# Altium PCB Headstage_V003.PcbDoc (part 1 of 2) (continued)
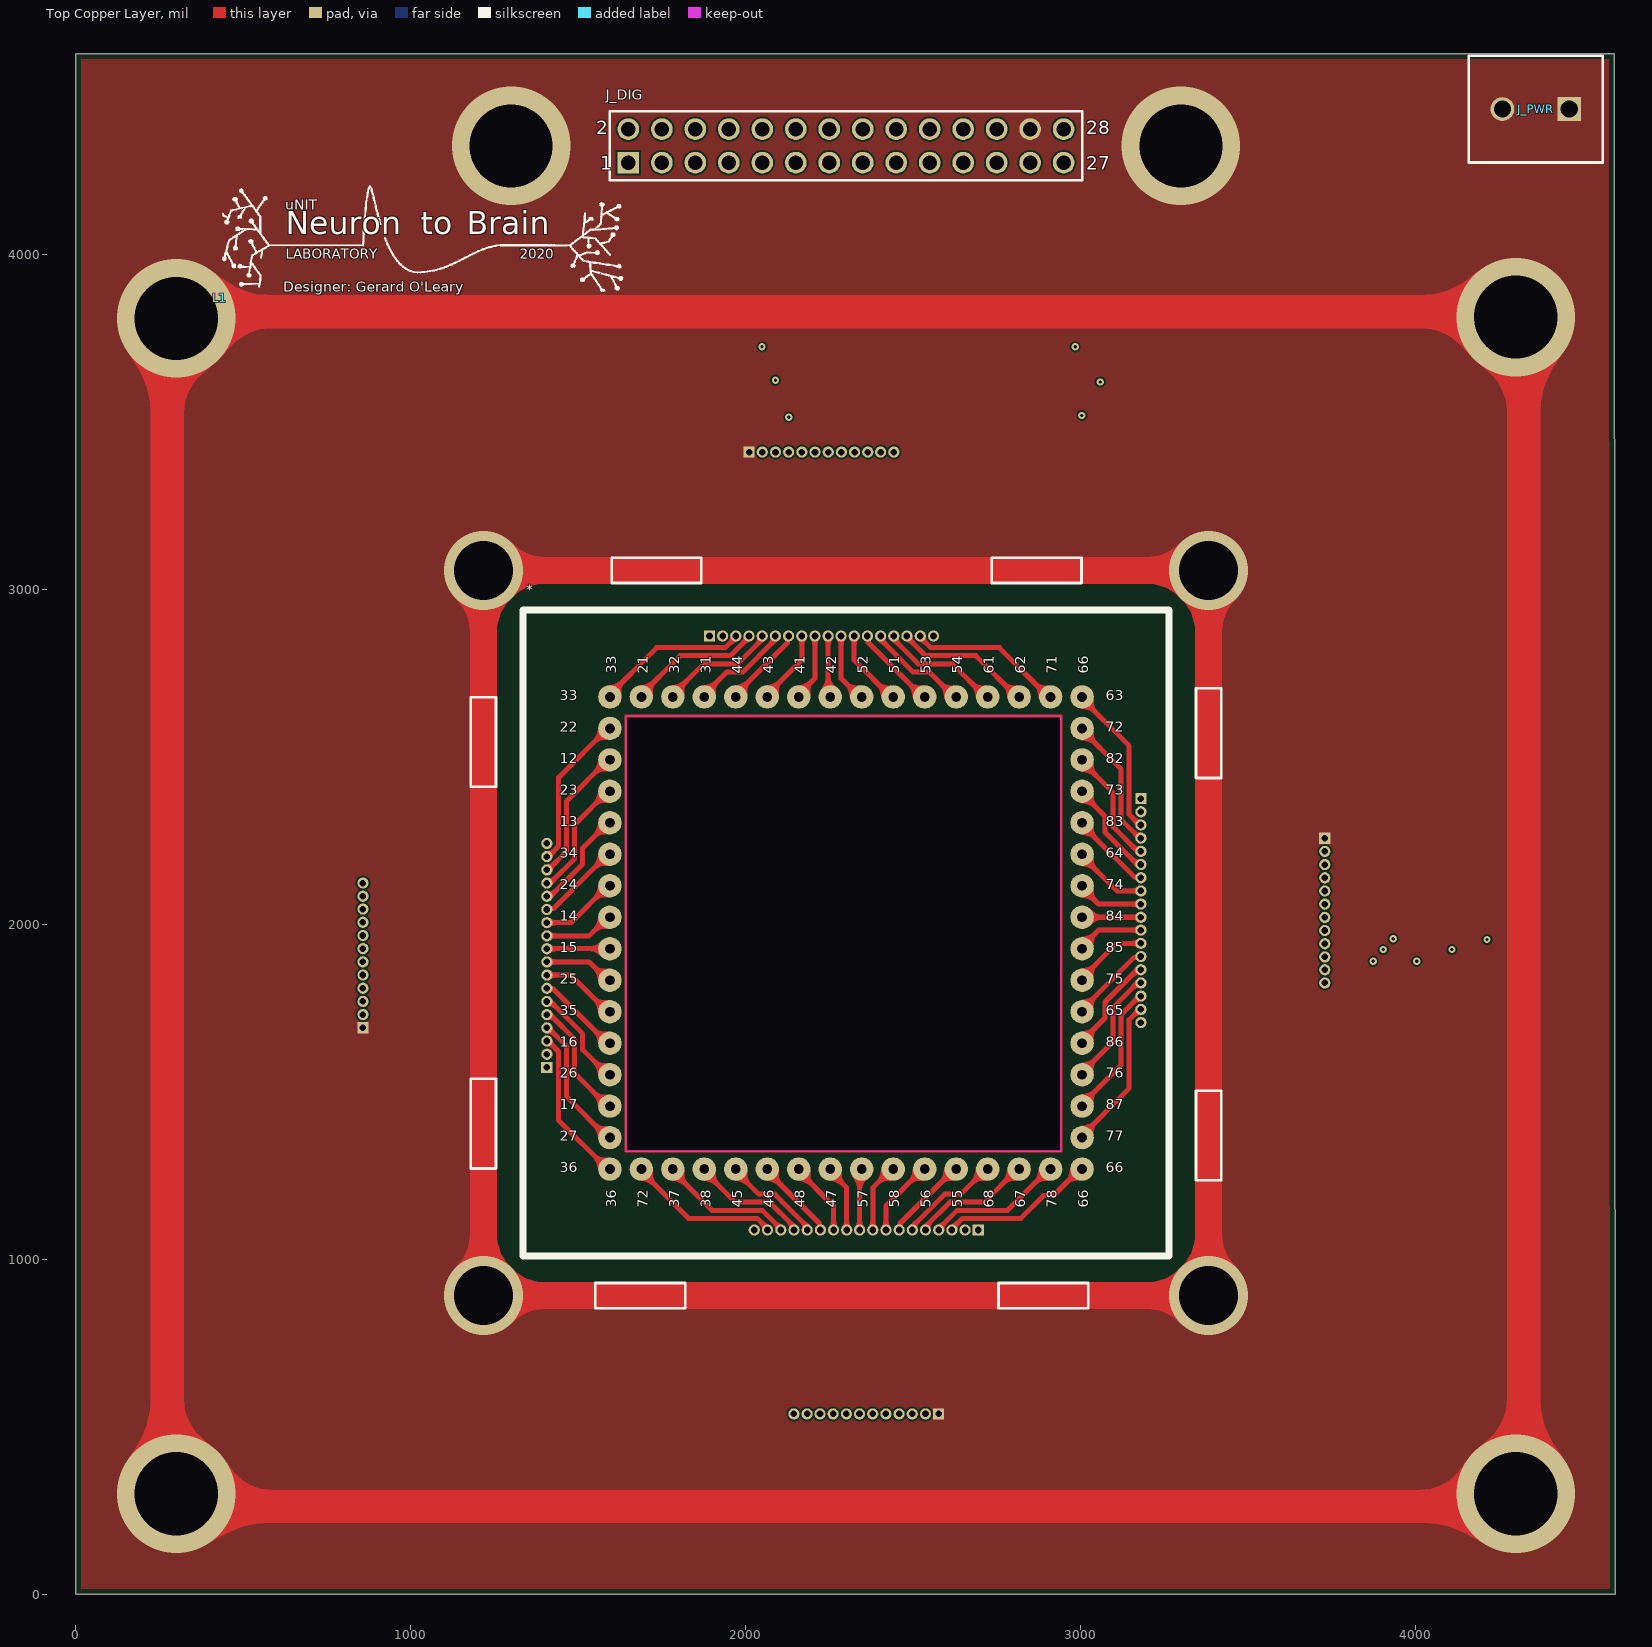
[diagram p0: Top Copper Layer view]
## Nets (pads, with @x,y where several pads share a name; then routed paths per layer and width w, separated by ;. In a path a pad name is that pad's centre, name@x,y a point inside that pad or via, vN(x,y) a via of type N, cw(c..) or ccw(c..) an arc to the next point about the centre after c; other vN are vias at no path point)
E1_0: *.63 M1.15 | length 3685.2
  Top Copper Layer w15: *.63@2998.66,2680.41 3145.66,2533.41 ; *.63@2998.66,2680.41 3145.66,2533.41 ; *.63@2998.66,2680.41 3145.66,2533.41 ; *.63@2998.66,2680.41 3145.66,2533.41 ; 3145.66,2328.45 3145.66,2533.41 ; 3145.66,2328.45 3145.66,2533.41 ; 3145.66,2328.45 3145.66,2533.41 ; 3145.66,2328.45 3145.66,2533.41 ; 3145.66,2328.45 M1.15@3167.93,2306.18 ; 3145.66,2328.45 M1.15@3167.93,2306.18 ; 3145.66,2328.45 M1.15@3167.93,2306.18 ; 3145.66,2328.45 M1.15@3167.93,2306.18 ; M1.15@3167.93,2306.18 M1.15@3168.38,2306.18 ; M1.15@3167.93,2306.18 M1.15@3168.38,2306.18 ; M1.15@3167.93,2306.18 M1.15@3168.38,2306.18 ; M1.15@3167.93,2306.18 M1.15@3168.38,2306.18 ; M1.15@3168.38,2306.18 M1.15@3177.02,2297.54 ; M1.15@3168.38,2306.18 M1.15@3177.02,2297.54 ; M1.15@3168.38,2306.18 M1.15@3177.02,2297.54 ; M1.15@3168.38,2306.18 M1.15@3177.02,2297.54 ; M1.15@3177.02,2297.54 M1.15@3180.66,2297.54 ; M1.15@3177.02,2297.54 M1.15@3180.66,2297.54 ; M1.15@3177.02,2297.54 M1.15@3180.66,2297.54 ; M1.15@3177.02,2297.54 M1.15@3180.66,2297.54
  Internal Copper Layer 1 w15: *.63@2998.66,2680.41 3145.66,2533.41 3145.66,2328.45 3167.93,2306.18 3168.38,2306.18 3177.02,2297.54 M1.15@3180.66,2297.54
  Internal Copper Layer 2 w15: 3145.66,2328.45 M1.15@3167.93,2306.18 ; 3145.66,2328.45 M1.15@3167.93,2306.18 ; 3145.66,2328.45 3145.66,2533.41 ; 3145.66,2328.45 3145.66,2533.41 ; 3145.66,2533.41 2998.66,2680.41 3145.66,2533.41 ; M1.15@3167.93,2306.18 M1.15@3168.38,2306.18 ; M1.15@3167.93,2306.18 M1.15@3168.38,2306.18 ; M1.15@3168.38,2306.18 M1.15@3177.02,2297.54 ; M1.15@3168.38,2306.18 M1.15@3177.02,2297.54 ; M1.15@3177.02,2297.54 3180.66,2297.54 M1.15@3177.02,2297.54
  Bottom Copper Layer w15: *.63@2998.66,2680.41 3145.66,2533.41 3145.66,2328.45 3167.93,2306.18 3168.38,2306.18 3177.02,2297.54 M1.15@3180.66,2297.54
E1_1: *.72 M1.16 | length 3249.6
  Top Copper Layer w15: *.72@2998.66,2586.41 3121.66,2463.41 ; *.72@2998.66,2586.41 3121.66,2463.41 ; *.72@2998.66,2586.41 3121.66,2463.41 ; *.72@2998.66,2586.41 3121.66,2463.41 ; 3121.66,2313.08 3121.66,2463.41 ; 3121.66,2313.08 3121.66,2463.41 ; 3121.66,2313.08 3121.66,2463.41 ; 3121.66,2313.08 3121.66,2463.41 ; 3121.66,2313.08 M1.16@3177.02,2257.72 ; 3121.66,2313.08 M1.16@3177.02,2257.72 ; 3121.66,2313.08 M1.16@3177.02,2257.72 ; 3121.66,2313.08 M1.16@3177.02,2257.72 ; M1.16@3177.02,2257.72 M1.16@3180.66,2257.72 ; M1.16@3177.02,2257.72 M1.16@3180.66,2257.72 ; M1.16@3177.02,2257.72 M1.16@3180.66,2257.72 ; M1.16@3177.02,2257.72 M1.16@3180.66,2257.72
  Internal Copper Layer 1 w15: *.72@2998.66,2586.41 3121.66,2463.41 3121.66,2313.08 3177.02,2257.72 M1.16@3180.66,2257.72
  Internal Copper Layer 2 w15: 3121.66,2313.08 M1.16@3177.02,2257.72 ; 3121.66,2313.08 M1.16@3177.02,2257.72 ; 3121.66,2313.08 3121.66,2463.41 ; 3121.66,2313.08 3121.66,2463.41 ; 3121.66,2463.41 2998.66,2586.41 3121.66,2463.41 ; M1.16@3177.02,2257.72 M1.16@3180.66,2257.72 M1.16@3177.02,2257.72
  Bottom Copper Layer w15: *.72@2998.66,2586.41 3121.66,2463.41 3121.66,2313.08 3177.02,2257.72 M1.16@3180.66,2257.72
E1_2: *.82 M1.17 | length 2842.1
  Top Copper Layer w15: *.82@2998.66,2492.41 3097.66,2393.41 ; *.82@2998.66,2492.41 3097.66,2393.41 ; *.82@2998.66,2492.41 3097.66,2393.41 ; *.82@2998.66,2492.41 3097.66,2393.41 ; 3097.66,2291.41 3097.66,2393.41 ; 3097.66,2291.41 3097.66,2393.41 ; 3097.66,2291.41 3097.66,2393.41 ; 3097.66,2291.41 3097.66,2393.41 ; 3097.66,2291.41 M1.17@3168.14,2220.93 ; 3097.66,2291.41 M1.17@3168.14,2220.93 ; 3097.66,2291.41 M1.17@3168.14,2220.93 ; 3097.66,2291.41 M1.17@3168.14,2220.93 ; M1.17@3168.14,2220.93 M1.17@3178.09,2220.93 ; M1.17@3168.14,2220.93 M1.17@3178.09,2220.93 ; M1.17@3168.14,2220.93 M1.17@3178.09,2220.93 ; M1.17@3168.14,2220.93 M1.17@3178.09,2220.93 ; M1.17@3178.09,2220.93 M1.17@3180.66,2218.35 ; M1.17@3178.09,2220.93 M1.17@3180.66,2218.35 ; M1.17@3178.09,2220.93 M1.17@3180.66,2218.35 ; M1.17@3178.09,2220.93 M1.17@3180.66,2218.35
  Internal Copper Layer 1 w15: *.82@2998.66,2492.41 3097.66,2393.41 3097.66,2291.41 3168.14,2220.93 3178.09,2220.93 M1.17@3180.66,2218.35
  Internal Copper Layer 2 w15: 3097.66,2291.41 M1.17@3168.14,2220.93 ; 3097.66,2291.41 M1.17@3168.14,2220.93 ; 3097.66,2291.41 3097.66,2393.41 ; 3097.66,2291.41 3097.66,2393.41 ; 3097.66,2393.41 2998.66,2492.41 3097.66,2393.41 ; M1.17@3168.14,2220.93 M1.17@3178.09,2220.93 ; M1.17@3168.14,2220.93 M1.17@3178.09,2220.93 ; M1.17@3178.09,2220.93 M1.17@3180.66,2218.35 M1.17@3178.09,2220.93
  Bottom Copper Layer w15: *.82@2998.66,2492.41 3097.66,2393.41 3097.66,2291.41 3168.14,2220.93 3178.09,2220.93 M1.17@3180.66,2218.35
E1_3: *.73 M1.18 | length 2408.1
  Top Copper Layer w15: *.73@2998.66,2398.41 3073.66,2323.41 ; *.73@2998.66,2398.41 3073.66,2323.41 ; *.73@2998.66,2398.41 3073.66,2323.41 ; *.73@2998.66,2398.41 3073.66,2323.41 ; 3073.66,2275.41 3073.66,2323.41 ; 3073.66,2275.41 3073.66,2323.41 ; 3073.66,2275.41 3073.66,2323.41 ; 3073.66,2275.41 3073.66,2323.41 ; 3073.66,2275.41 M1.18@3167.51,2181.56 ; 3073.66,2275.41 M1.18@3167.51,2181.56 ; 3073.66,2275.41 M1.18@3167.51,2181.56 ; 3073.66,2275.41 M1.18@3167.51,2181.56 ; M1.18@3167.51,2181.56 M1.18@3178.09,2181.56 ; M1.18@3167.51,2181.56 M1.18@3178.09,2181.56 ; M1.18@3167.51,2181.56 M1.18@3178.09,2181.56 ; M1.18@3167.51,2181.56 M1.18@3178.09,2181.56 ; M1.18@3178.09,2181.56 M1.18@3180.66,2178.98 ; M1.18@3178.09,2181.56 M1.18@3180.66,2178.98 ; M1.18@3178.09,2181.56 M1.18@3180.66,2178.98 ; M1.18@3178.09,2181.56 M1.18@3180.66,2178.98
  Internal Copper Layer 1 w15: *.73@2998.66,2398.41 3073.66,2323.41 3073.66,2275.41 3167.51,2181.56 3178.09,2181.56 M1.18@3180.66,2178.98
  Internal Copper Layer 2 w15: 3073.66,2275.41 M1.18@3167.51,2181.56 ; 3073.66,2275.41 M1.18@3167.51,2181.56 ; 3073.66,2275.41 3073.66,2323.41 ; 3073.66,2275.41 3073.66,2323.41 ; 3073.66,2323.41 2998.66,2398.41 3073.66,2323.41 ; M1.18@3167.51,2181.56 M1.18@3178.09,2181.56 ; M1.18@3167.51,2181.56 M1.18@3178.09,2181.56 ; M1.18@3178.09,2181.56 M1.18@3180.66,2178.98 M1.18@3178.09,2181.56
  Bottom Copper Layer w15: *.73@2998.66,2398.41 3073.66,2323.41 3073.66,2275.41 3167.51,2181.56 3178.09,2181.56 M1.18@3180.66,2178.98
E1_4: *.83 M1.19 | length 2002.1
  Top Copper Layer w15: *.83@2998.66,2304.41 3047.66,2255.41 ; *.83@2998.66,2304.41 3047.66,2255.41 ; *.83@2998.66,2304.41 3047.66,2255.41 ; *.83@2998.66,2304.41 3047.66,2255.41 ; 3047.66,2255.41 3160.88,2142.19 ; 3047.66,2255.41 3160.88,2142.19 ; 3047.66,2255.41 3160.88,2142.19 ; 3047.66,2255.41 3160.88,2142.19 ; 3160.88,2142.19 M1.19@3178.09,2142.19 ; 3160.88,2142.19 M1.19@3178.09,2142.19 ; 3160.88,2142.19 M1.19@3178.09,2142.19 ; 3160.88,2142.19 M1.19@3178.09,2142.19 ; M1.19@3178.09,2142.19 M1.19@3180.66,2139.61 ; M1.19@3178.09,2142.19 M1.19@3180.66,2139.61 ; M1.19@3178.09,2142.19 M1.19@3180.66,2139.61 ; M1.19@3178.09,2142.19 M1.19@3180.66,2139.61
  Internal Copper Layer 1 w15: *.83@2998.66,2304.41 3047.66,2255.41 3160.88,2142.19 3178.09,2142.19 M1.19@3180.66,2139.61
  Internal Copper Layer 2 w15: 3047.66,2255.41 3160.88,2142.19 ; 3047.66,2255.41 3160.88,2142.19 ; 3047.66,2255.41 2998.66,2304.41 3047.66,2255.41 ; 3160.88,2142.19 M1.19@3178.09,2142.19 ; 3160.88,2142.19 M1.19@3178.09,2142.19 ; M1.19@3178.09,2142.19 M1.19@3180.66,2139.61 M1.19@3178.09,2142.19
  Bottom Copper Layer w15: *.83@2998.66,2304.41 3047.66,2255.41 3160.88,2142.19 3178.09,2142.19 M1.19@3180.66,2139.61
E1_5: *.64 M1.20 | length 1821.1
  Top Copper Layer w15: *.64@2998.66,2210.41 3108.83,2100.24 ; *.64@2998.66,2210.41 3108.83,2100.24 ; *.64@2998.66,2210.41 3108.83,2100.24 ; *.64@2998.66,2210.41 3108.83,2100.24 ; 3108.83,2100.24 M1.20@3180.66,2100.24 ; 3108.83,2100.24 M1.20@3180.66,2100.24 ; 3108.83,2100.24 M1.20@3180.66,2100.24 ; 3108.83,2100.24 M1.20@3180.66,2100.24
  Internal Copper Layer 1 w15: *.64@2998.66,2210.41 3108.83,2100.24 M1.20@3180.66,2100.24
  Internal Copper Layer 2 w15: 3108.83,2100.24 M1.20@3180.66,2100.24 3108.83,2100.24 ; 3108.83,2100.24 2998.66,2210.41 3108.83,2100.24
  Bottom Copper Layer w15: *.64@2998.66,2210.41 3108.83,2100.24 M1.20@3180.66,2100.24
E1_6: *.74 M1.21 | length 1640
  Top Copper Layer w15: *.74@2998.66,2116.41 3054.2,2060.87 ; *.74@2998.66,2116.41 3054.2,2060.87 ; *.74@2998.66,2116.41 3054.2,2060.87 ; *.74@2998.66,2116.41 3054.2,2060.87 ; 3054.2,2060.87 M1.21@3180.66,2060.87 ; 3054.2,2060.87 M1.21@3180.66,2060.87 ; 3054.2,2060.87 M1.21@3180.66,2060.87 ; 3054.2,2060.87 M1.21@3180.66,2060.87
  Internal Copper Layer 1 w15: *.74@2998.66,2116.41 3054.2,2060.87 M1.21@3180.66,2060.87
  Internal Copper Layer 2 w15: 3054.2,2060.87 M1.21@3180.66,2060.87 3054.2,2060.87 ; 3054.2,2060.87 2998.66,2116.41 3054.2,2060.87
  Bottom Copper Layer w15: *.74@2998.66,2116.41 3054.2,2060.87 M1.21@3180.66,2060.87
E1_7: *.84 M1.22 | length 1456
  Top Copper Layer w15: *.84@2998.66,2021.5 M1.22@3180.66,2021.5 ; *.84@2998.66,2021.5 M1.22@3180.66,2021.5 ; *.84@2998.66,2021.5 M1.22@3180.66,2021.5 ; *.84@2998.66,2021.5 M1.22@3180.66,2021.5
  Internal Copper Layer 1 w15: *.84@2998.66,2021.5 M1.22@3180.66,2021.5
  Internal Copper Layer 2 w15: *.84@2998.66,2021.5 M1.22@3180.66,2021.5 *.84@2998.66,2021.5
  Bottom Copper Layer w15: *.84@2998.66,2021.5 M1.22@3180.66,2021.5
E1_8: *.85 M1.23 | length 820
  Top Copper Layer w15: *.85@2998.66,1927.5 3054.2,1983.04 M1.23@3180.66,1983.04
  Internal Copper Layer 1 w15: *.85@2998.66,1927.5 3054.2,1983.04 M1.23@3180.66,1983.04
  Internal Copper Layer 2 w15: *.85@2998.66,1927.5 3054.2,1983.04 M1.23@3180.66,1983.04
  Bottom Copper Layer w15: *.85@2998.66,1927.5 3054.2,1983.04 M1.23@3180.66,1983.04
E1_9: *.75 M1.24 | length 1821.1
  Top Copper Layer w15: *.75@2998.66,1833.5 3108.83,1943.67 ; *.75@2998.66,1833.5 3108.83,1943.67 ; *.75@2998.66,1833.5 3108.83,1943.67 ; *.75@2998.66,1833.5 3108.83,1943.67 ; 3108.83,1943.67 M1.24@3180.66,1943.67 ; 3108.83,1943.67 M1.24@3180.66,1943.67 ; 3108.83,1943.67 M1.24@3180.66,1943.67 ; 3108.83,1943.67 M1.24@3180.66,1943.67
  Internal Copper Layer 1 w15: *.75@2998.66,1833.5 3108.83,1943.67 M1.24@3180.66,1943.67
  Internal Copper Layer 2 w15: 3108.83,1943.67 2998.66,1833.5 3108.83,1943.67 ; 3108.83,1943.67 M1.24@3180.66,1943.67 3108.83,1943.67
  Bottom Copper Layer w15: *.75@2998.66,1833.5 3108.83,1943.67 M1.24@3180.66,1943.67
E1_10: *.65 M1.25 | length 2002.1
  Top Copper Layer w15: *.65@2998.66,1739.5 3047.66,1788.5 ; *.65@2998.66,1739.5 3047.66,1788.5 ; *.65@2998.66,1739.5 3047.66,1788.5 ; *.65@2998.66,1739.5 3047.66,1788.5 ; 3047.66,1788.5 3160.88,1901.72 ; 3047.66,1788.5 3160.88,1901.72 ; 3047.66,1788.5 3160.88,1901.72 ; 3047.66,1788.5 3160.88,1901.72 ; 3160.88,1901.72 M1.25@3178.09,1901.72 ; 3160.88,1901.72 M1.25@3178.09,1901.72 ; 3160.88,1901.72 M1.25@3178.09,1901.72 ; 3160.88,1901.72 M1.25@3178.09,1901.72 ; M1.25@3178.09,1901.72 M1.25@3180.66,1904.3 ; M1.25@3178.09,1901.72 M1.25@3180.66,1904.3 ; M1.25@3178.09,1901.72 M1.25@3180.66,1904.3 ; M1.25@3178.09,1901.72 M1.25@3180.66,1904.3
  Internal Copper Layer 1 w15: *.65@2998.66,1739.5 3047.66,1788.5 3160.88,1901.72 3178.09,1901.72 M1.25@3180.66,1904.3
  Internal Copper Layer 2 w15: 3047.66,1788.5 2998.66,1739.5 3047.66,1788.5 ; 3047.66,1788.5 3160.88,1901.72 ; 3047.66,1788.5 3160.88,1901.72 ; 3160.88,1901.72 M1.25@3178.09,1901.72 ; 3160.88,1901.72 M1.25@3178.09,1901.72 ; M1.25@3178.09,1901.72 M1.25@3180.66,1904.3 M1.25@3178.09,1901.72
  Bottom Copper Layer w15: *.65@2998.66,1739.5 3047.66,1788.5 3160.88,1901.72 3178.09,1901.72 M1.25@3180.66,1904.3
E1_11: *.86 M1.26 | length 2408.1
  Top Copper Layer w15: *.86@2998.66,1645.5 3073.66,1720.5 ; *.86@2998.66,1645.5 3073.66,1720.5 ; *.86@2998.66,1645.5 3073.66,1720.5 ; *.86@2998.66,1645.5 3073.66,1720.5 ; 3073.66,1720.5 3073.66,1768.5 ; 3073.66,1720.5 3073.66,1768.5 ; 3073.66,1720.5 3073.66,1768.5 ; 3073.66,1720.5 3073.66,1768.5 ; 3073.66,1768.5 M1.26@3167.51,1862.35 ; 3073.66,1768.5 M1.26@3167.51,1862.35 ; 3073.66,1768.5 M1.26@3167.51,1862.35 ; 3073.66,1768.5 M1.26@3167.51,1862.35 ; M1.26@3167.51,1862.35 M1.26@3178.09,1862.35 ; M1.26@3167.51,1862.35 M1.26@3178.09,1862.35 ; M1.26@3167.51,1862.35 M1.26@3178.09,1862.35 ; M1.26@3167.51,1862.35 M1.26@3178.09,1862.35 ; M1.26@3178.09,1862.35 M1.26@3180.66,1864.93 ; M1.26@3178.09,1862.35 M1.26@3180.66,1864.93 ; M1.26@3178.09,1862.35 M1.26@3180.66,1864.93 ; M1.26@3178.09,1862.35 M1.26@3180.66,1864.93
  Internal Copper Layer 1 w15: *.86@2998.66,1645.5 3073.66,1720.5 3073.66,1768.5 3167.51,1862.35 3178.09,1862.35 M1.26@3180.66,1864.93
  Internal Copper Layer 2 w15: 3073.66,1720.5 2998.66,1645.5 3073.66,1720.5 ; 3073.66,1720.5 3073.66,1768.5 ; 3073.66,1720.5 3073.66,1768.5 ; 3073.66,1768.5 M1.26@3167.51,1862.35 ; 3073.66,1768.5 M1.26@3167.51,1862.35 ; M1.26@3167.51,1862.35 M1.26@3178.09,1862.35 ; M1.26@3167.51,1862.35 M1.26@3178.09,1862.35 ; M1.26@3178.09,1862.35 M1.26@3180.66,1864.93 M1.26@3178.09,1862.35
  Bottom Copper Layer w15: *.86@2998.66,1645.5 3073.66,1720.5 3073.66,1768.5 3167.51,1862.35 3178.09,1862.35 M1.26@3180.66,1864.93
E1_12: *.76 M1.27 | length 2842.1
  Top Copper Layer w15: *.76@2998.66,1551.5 3097.66,1650.5 ; *.76@2998.66,1551.5 3097.66,1650.5 ; *.76@2998.66,1551.5 3097.66,1650.5 ; *.76@2998.66,1551.5 3097.66,1650.5 ; 3097.66,1650.5 3097.66,1752.5 ; 3097.66,1650.5 3097.66,1752.5 ; 3097.66,1650.5 3097.66,1752.5 ; 3097.66,1650.5 3097.66,1752.5 ; 3097.66,1752.5 M1.27@3168.14,1822.98 ; 3097.66,1752.5 M1.27@3168.14,1822.98 ; 3097.66,1752.5 M1.27@3168.14,1822.98 ; 3097.66,1752.5 M1.27@3168.14,1822.98 ; M1.27@3168.14,1822.98 M1.27@3178.09,1822.98 ; M1.27@3168.14,1822.98 M1.27@3178.09,1822.98 ; M1.27@3168.14,1822.98 M1.27@3178.09,1822.98 ; M1.27@3168.14,1822.98 M1.27@3178.09,1822.98 ; M1.27@3178.09,1822.98 M1.27@3180.66,1825.56 ; M1.27@3178.09,1822.98 M1.27@3180.66,1825.56 ; M1.27@3178.09,1822.98 M1.27@3180.66,1825.56 ; M1.27@3178.09,1822.98 M1.27@3180.66,1825.56
  Internal Copper Layer 1 w15: *.76@2998.66,1551.5 3097.66,1650.5 3097.66,1752.5 3168.14,1822.98 3178.09,1822.98 M1.27@3180.66,1825.56
  Internal Copper Layer 2 w15: 3097.66,1650.5 2998.66,1551.5 3097.66,1650.5 ; 3097.66,1650.5 3097.66,1752.5 ; 3097.66,1650.5 3097.66,1752.5 ; 3097.66,1752.5 M1.27@3168.14,1822.98 ; 3097.66,1752.5 M1.27@3168.14,1822.98 ; M1.27@3168.14,1822.98 M1.27@3178.09,1822.98 ; M1.27@3168.14,1822.98 M1.27@3178.09,1822.98 ; M1.27@3178.09,1822.98 M1.27@3180.66,1825.56 M1.27@3178.09,1822.98
  Bottom Copper Layer w15: *.76@2998.66,1551.5 3097.66,1650.5 3097.66,1752.5 3168.14,1822.98 3178.09,1822.98 M1.27@3180.66,1825.56
E1_13: *.87 M1.28 | length 3249.6
  Top Copper Layer w15: *.87@2998.66,1457.5 3121.66,1580.5 ; *.87@2998.66,1457.5 3121.66,1580.5 ; *.87@2998.66,1457.5 3121.66,1580.5 ; *.87@2998.66,1457.5 3121.66,1580.5 ; 3121.66,1580.5 3121.66,1730.82 ; 3121.66,1580.5 3121.66,1730.82 ; 3121.66,1580.5 3121.66,1730.82 ; 3121.66,1580.5 3121.66,1730.82 ; 3121.66,1730.82 M1.28@3177.02,1786.18 ; 3121.66,1730.82 M1.28@3177.02,1786.18 ; 3121.66,1730.82 M1.28@3177.02,1786.18 ; 3121.66,1730.82 M1.28@3177.02,1786.18 ; M1.28@3177.02,1786.18 M1.28@3180.66,1786.18 ; M1.28@3177.02,1786.18 M1.28@3180.66,1786.18 ; M1.28@3177.02,1786.18 M1.28@3180.66,1786.18 ; M1.28@3177.02,1786.18 M1.28@3180.66,1786.18
  Internal Copper Layer 1 w15: *.87@2998.66,1457.5 3121.66,1580.5 3121.66,1730.82 3177.02,1786.18 M1.28@3180.66,1786.18
  Internal Copper Layer 2 w15: 3121.66,1580.5 2998.66,1457.5 3121.66,1580.5 ; 3121.66,1580.5 3121.66,1730.82 ; 3121.66,1580.5 3121.66,1730.82 ; 3121.66,1730.82 M1.28@3177.02,1786.18 ; 3121.66,1730.82 M1.28@3177.02,1786.18 ; M1.28@3177.02,1786.18 M1.28@3180.66,1786.18 M1.28@3177.02,1786.18
  Bottom Copper Layer w15: *.87@2998.66,1457.5 3121.66,1580.5 3121.66,1730.82 3177.02,1786.18 M1.28@3180.66,1786.18
E1_14: *.77 M1.29 | length 3685.2
  Top Copper Layer w15: *.77@2998.66,1363.5 3145.66,1510.5 ; *.77@2998.66,1363.5 3145.66,1510.5 ; *.77@2998.66,1363.5 3145.66,1510.5 ; *.77@2998.66,1363.5 3145.66,1510.5 ; 3145.66,1510.5 3145.66,1715.45 ; 3145.66,1510.5 3145.66,1715.45 ; 3145.66,1510.5 3145.66,1715.45 ; 3145.66,1510.5 3145.66,1715.45 ; 3145.66,1715.45 M1.29@3167.93,1737.72 ; 3145.66,1715.45 M1.29@3167.93,1737.72 ; 3145.66,1715.45 M1.29@3167.93,1737.72 ; 3145.66,1715.45 M1.29@3167.93,1737.72 ; M1.29@3167.93,1737.72 M1.29@3168.38,1737.72 ; M1.29@3167.93,1737.72 M1.29@3168.38,1737.72 ; M1.29@3167.93,1737.72 M1.29@3168.38,1737.72 ; M1.29@3167.93,1737.72 M1.29@3168.38,1737.72 ; M1.29@3168.38,1737.72 M1.29@3177.02,1746.36 ; M1.29@3168.38,1737.72 M1.29@3177.02,1746.36 ; M1.29@3168.38,1737.72 M1.29@3177.02,1746.36 ; M1.29@3168.38,1737.72 M1.29@3177.02,1746.36 ; M1.29@3177.02,1746.36 M1.29@3180.66,1746.36 ; M1.29@3177.02,1746.36 M1.29@3180.66,1746.36 ; M1.29@3177.02,1746.36 M1.29@3180.66,1746.36 ; M1.29@3177.02,1746.36 M1.29@3180.66,1746.36
  Internal Copper Layer 1 w15: *.77@2998.66,1363.5 3145.66,1510.5 3145.66,1715.45 3167.93,1737.72 3168.38,1737.72 3177.02,1746.36 M1.29@3180.66,1746.36
  Internal Copper Layer 2 w15: 3145.66,1510.5 2998.66,1363.5 3145.66,1510.5 ; 3145.66,1510.5 3145.66,1715.45 ; 3145.66,1510.5 3145.66,1715.45 ; 3145.66,1715.45 M1.29@3167.93,1737.72 ; 3145.66,1715.45 M1.29@3167.93,1737.72 ; M1.29@3167.93,1737.72 M1.29@3168.38,1737.72 ; M1.29@3167.93,1737.72 M1.29@3168.38,1737.72 ; M1.29@3168.38,1737.72 M1.29@3177.02,1746.36 ; M1.29@3168.38,1737.72 M1.29@3177.02,1746.36 ; M1.29@3177.02,1746.36 M1.29@3180.66,1746.36 M1.29@3177.02,1746.36
  Bottom Copper Layer w15: *.77@2998.66,1363.5 3145.66,1510.5 3145.66,1715.45 3167.93,1737.72 3168.38,1737.72 3177.02,1746.36 M1.29@3180.66,1746.36
E1_15: M1.30
E2_0: *.66 M2.15 | length 3685.2
  Top Copper Layer w15: M2.15@2616.71,1087.5 M2.15@2616.71,1091.14 ; M2.15@2616.71,1087.5 M2.15@2616.71,1091.14 ; M2.15@2616.71,1087.5 M2.15@2616.71,1091.14 ; M2.15@2616.71,1087.5 M2.15@2616.71,1091.14 ; M2.15@2616.71,1091.14 M2.15@2625.34,1099.78 ; M2.15@2616.71,1091.14 M2.15@2625.34,1099.78 ; M2.15@2616.71,1091.14 M2.15@2625.34,1099.78 ; M2.15@2616.71,1091.14 M2.15@2625.34,1099.78 ; M2.15@2625.34,1099.78 M2.15@2625.34,1100.23 ; M2.15@2625.34,1099.78 M2.15@2625.34,1100.23 ; M2.15@2625.34,1099.78 M2.15@2625.34,1100.23 ; M2.15@2625.34,1099.78 M2.15@2625.34,1100.23 ; M2.15@2625.34,1100.23 2647.61,1122.5 ; M2.15@2625.34,1100.23 2647.61,1122.5 ; M2.15@2625.34,1100.23 2647.61,1122.5 ; M2.15@2625.34,1100.23 2647.61,1122.5 ; 2647.61,1122.5 2821.93,1122.5 ; 2647.61,1122.5 2821.93,1122.5 ; 2647.61,1122.5 2821.93,1122.5 ; 2647.61,1122.5 2821.93,1122.5 ; 2821.93,1122.5 2890.17,1190.74 ; 2821.93,1122.5 2890.17,1190.74 ; 2821.93,1122.5 2890.17,1190.74 ; 2821.93,1122.5 2890.17,1190.74 ; 2890.17,1190.74 2919.9,1190.74 ; 2890.17,1190.74 2919.9,1190.74 ; 2890.17,1190.74 2919.9,1190.74 ; 2890.17,1190.74 2919.9,1190.74 ; 2919.9,1190.74 *.66@2998.66,1269.5 ; 2919.9,1190.74 *.66@2998.66,1269.5 ; 2919.9,1190.74 *.66@2998.66,1269.5 ; 2919.9,1190.74 *.66@2998.66,1269.5 ; *.66@2998.66,1269.5 *.66@2999.57,1269.5 ; *.66@2998.66,1269.5 *.66@2999.57,1269.5 ; *.66@2998.66,1269.5 *.66@2999.57,1269.5 ; *.66@2998.66,1269.5 *.66@2999.57,1269.5
  Internal Copper Layer 1 w15: M2.15@2616.71,1087.5 2616.71,1091.14 2625.34,1099.78 2625.34,1100.23 2647.61,1122.5 2821.93,1122.5 2890.17,1190.74 2919.9,1190.74 2998.66,1269.5 *.66@2999.57,1269.5
  Internal Copper Layer 2 w15: M2.15@2616.71,1091.14 2616.71,1087.5 M2.15@2616.71,1091.14 ; M2.15@2616.71,1091.14 M2.15@2625.34,1099.78 ; M2.15@2616.71,1091.14 M2.15@2625.34,1099.78 ; M2.15@2625.34,1099.78 M2.15@2625.34,1100.23 ; M2.15@2625.34,1099.78 M2.15@2625.34,1100.23 ; M2.15@2625.34,1100.23 2647.61,1122.5 ; M2.15@2625.34,1100.23 2647.61,1122.5 ; 2647.61,1122.5 2821.93,1122.5 ; 2647.61,1122.5 2821.93,1122.5 ; 2821.93,1122.5 2890.17,1190.74 ; 2821.93,1122.5 2890.17,1190.74 ; 2890.17,1190.74 2919.9,1190.74 ; 2890.17,1190.74 2919.9,1190.74 ; 2919.9,1190.74 *.66@2998.66,1269.5 ; 2919.9,1190.74 *.66@2998.66,1269.5 ; *.66@2998.66,1269.5 2999.57,1269.5 *.66@2998.66,1269.5
  Bottom Copper Layer w15: M2.15@2616.71,1087.5 2616.71,1091.14 2625.34,1099.78 2625.34,1100.23 2647.61,1122.5 2821.93,1122.5 2890.17,1190.74 2919.9,1190.74 2998.66,1269.5 *.66@2999.57,1269.5
E2_1: *.78 M2.16 | length 3249.6
  Top Copper Layer w15: M2.16@2576.88,1087.5 M2.16@2576.88,1091.14 ; M2.16@2576.88,1087.5 M2.16@2576.88,1091.14 ; M2.16@2576.88,1087.5 M2.16@2576.88,1091.14 ; M2.16@2576.88,1087.5 M2.16@2576.88,1091.14 ; M2.16@2576.88,1091.14 2632.24,1146.5 ; M2.16@2576.88,1091.14 2632.24,1146.5 ; M2.16@2576.88,1091.14 2632.24,1146.5 ; M2.16@2576.88,1091.14 2632.24,1146.5 ; 2632.24,1146.5 2782.57,1146.5 ; 2632.24,1146.5 2782.57,1146.5 ; 2632.24,1146.5 2782.57,1146.5 ; 2632.24,1146.5 2782.57,1146.5 ; 2782.57,1146.5 *.78@2905.57,1269.5 ; 2782.57,1146.5 *.78@2905.57,1269.5 ; 2782.57,1146.5 *.78@2905.57,1269.5 ; 2782.57,1146.5 *.78@2905.57,1269.5
  Internal Copper Layer 1 w15: M2.16@2576.88,1087.5 2576.88,1091.14 2632.24,1146.5 2782.57,1146.5 *.78@2905.57,1269.5
  Internal Copper Layer 2 w15: M2.16@2576.88,1091.14 M2.16@2576.88,1087.5 M2.16@2576.88,1091.14 ; M2.16@2576.88,1091.14 2632.24,1146.5 ; M2.16@2576.88,1091.14 2632.24,1146.5 ; 2632.24,1146.5 2782.57,1146.5 ; 2632.24,1146.5 2782.57,1146.5 ; 2782.57,1146.5 2905.57,1269.5 2782.57,1146.5
  Bottom Copper Layer w15: M2.16@2576.88,1087.5 2576.88,1091.14 2632.24,1146.5 2782.57,1146.5 *.78@2905.57,1269.5
E2_2: *.67 M2.17 | length 2842.1
  Top Copper Layer w15: M2.17@2537.51,1087.5 M2.17@2540.09,1090.08 ; M2.17@2537.51,1087.5 M2.17@2540.09,1090.08 ; M2.17@2537.51,1087.5 M2.17@2540.09,1090.08 ; M2.17@2537.51,1087.5 M2.17@2540.09,1090.08 ; M2.17@2540.09,1090.08 M2.17@2540.09,1100.02 ; M2.17@2540.09,1090.08 M2.17@2540.09,1100.02 ; M2.17@2540.09,1090.08 M2.17@2540.09,1100.02 ; M2.17@2540.09,1090.08 M2.17@2540.09,1100.02 ; M2.17@2540.09,1100.02 2610.57,1170.5 ; M2.17@2540.09,1100.02 2610.57,1170.5 ; M2.17@2540.09,1100.02 2610.57,1170.5 ; M2.17@2540.09,1100.02 2610.57,1170.5 ; 2610.57,1170.5 2712.57,1170.5 ; 2610.57,1170.5 2712.57,1170.5 ; 2610.57,1170.5 2712.57,1170.5 ; 2610.57,1170.5 2712.57,1170.5 ; 2712.57,1170.5 *.67@2811.57,1269.5 ; 2712.57,1170.5 *.67@2811.57,1269.5 ; 2712.57,1170.5 *.67@2811.57,1269.5 ; 2712.57,1170.5 *.67@2811.57,1269.5
  Internal Copper Layer 1 w15: M2.17@2537.51,1087.5 2540.09,1090.08 2540.09,1100.02 2610.57,1170.5 2712.57,1170.5 *.67@2811.57,1269.5
  Internal Copper Layer 2 w15: M2.17@2540.09,1090.08 M2.17@2537.51,1087.5 M2.17@2540.09,1090.08 ; M2.17@2540.09,1090.08 M2.17@2540.09,1100.02 ; M2.17@2540.09,1090.08 M2.17@2540.09,1100.02 ; M2.17@2540.09,1100.02 2610.57,1170.5 ; M2.17@2540.09,1100.02 2610.57,1170.5 ; 2610.57,1170.5 2712.57,1170.5 ; 2610.57,1170.5 2712.57,1170.5 ; 2712.57,1170.5 2811.57,1269.5 2712.57,1170.5
  Bottom Copper Layer w15: M2.17@2537.51,1087.5 2540.09,1090.08 2540.09,1100.02 2610.57,1170.5 2712.57,1170.5 *.67@2811.57,1269.5
E2_3: *.68 M2.18 | length 2408.1
  Top Copper Layer w15: M2.18@2498.14,1087.5 M2.18@2500.72,1090.08 ; M2.18@2498.14,1087.5 M2.18@2500.72,1090.08 ; M2.18@2498.14,1087.5 M2.18@2500.72,1090.08 ; M2.18@2498.14,1087.5 M2.18@2500.72,1090.08 ; M2.18@2500.72,1090.08 M2.18@2500.72,1100.65 ; M2.18@2500.72,1090.08 M2.18@2500.72,1100.65 ; M2.18@2500.72,1090.08 M2.18@2500.72,1100.65 ; M2.18@2500.72,1090.08 M2.18@2500.72,1100.65 ; M2.18@2500.72,1100.65 2594.57,1194.5 ; M2.18@2500.72,1100.65 2594.57,1194.5 ; M2.18@2500.72,1100.65 2594.57,1194.5 ; M2.18@2500.72,1100.65 2594.57,1194.5 ; 2594.57,1194.5 2642.57,1194.5 ; 2594.57,1194.5 2642.57,1194.5 ; 2594.57,1194.5 2642.57,1194.5 ; 2594.57,1194.5 2642.57,1194.5 ; 2642.57,1194.5 *.68@2717.57,1269.5 ; 2642.57,1194.5 *.68@2717.57,1269.5 ; 2642.57,1194.5 *.68@2717.57,1269.5 ; 2642.57,1194.5 *.68@2717.57,1269.5
  Internal Copper Layer 1 w15: M2.18@2498.14,1087.5 2500.72,1090.08 2500.72,1100.65 2594.57,1194.5 2642.57,1194.5 *.68@2717.57,1269.5
  Internal Copper Layer 2 w15: M2.18@2500.72,1090.08 M2.18@2498.14,1087.5 M2.18@2500.72,1090.08 ; M2.18@2500.72,1090.08 M2.18@2500.72,1100.65 ; M2.18@2500.72,1090.08 M2.18@2500.72,1100.65 ; M2.18@2500.72,1100.65 2594.57,1194.5 ; M2.18@2500.72,1100.65 2594.57,1194.5 ; 2594.57,1194.5 2642.57,1194.5 ; 2594.57,1194.5 2642.57,1194.5 ; 2642.57,1194.5 2717.57,1269.5 2642.57,1194.5
  Bottom Copper Layer w15: M2.18@2498.14,1087.5 2500.72,1090.08 2500.72,1100.65 2594.57,1194.5 2642.57,1194.5 *.68@2717.57,1269.5
E2_4: *.55 M2.19 | length 2002.1
  Top Copper Layer w15: M2.19@2458.77,1087.5 M2.19@2461.35,1090.08 ; M2.19@2458.77,1087.5 M2.19@2461.35,1090.08 ; M2.19@2458.77,1087.5 M2.19@2461.35,1090.08 ; M2.19@2458.77,1087.5 M2.19@2461.35,1090.08 ; M2.19@2461.35,1090.08 2461.35,1107.28 ; M2.19@2461.35,1090.08 2461.35,1107.28 ; M2.19@2461.35,1090.08 2461.35,1107.28 ; M2.19@2461.35,1090.08 2461.35,1107.28 ; 2461.35,1107.28 2574.57,1220.5 ; 2461.35,1107.28 2574.57,1220.5 ; 2461.35,1107.28 2574.57,1220.5 ; 2461.35,1107.28 2574.57,1220.5 ; 2574.57,1220.5 *.55@2623.57,1269.5 ; 2574.57,1220.5 *.55@2623.57,1269.5 ; 2574.57,1220.5 *.55@2623.57,1269.5 ; 2574.57,1220.5 *.55@2623.57,1269.5
  Internal Copper Layer 1 w15: M2.19@2458.77,1087.5 2461.35,1090.08 2461.35,1107.28 2574.57,1220.5 *.55@2623.57,1269.5
  Internal Copper Layer 2 w15: M2.19@2461.35,1090.08 M2.19@2458.77,1087.5 M2.19@2461.35,1090.08 ; M2.19@2461.35,1090.08 2461.35,1107.28 ; M2.19@2461.35,1090.08 2461.35,1107.28 ; 2461.35,1107.28 2574.57,1220.5 ; 2461.35,1107.28 2574.57,1220.5 ; 2574.57,1220.5 2623.57,1269.5 2574.57,1220.5
  Bottom Copper Layer w15: M2.19@2458.77,1087.5 2461.35,1090.08 2461.35,1107.28 2574.57,1220.5 *.55@2623.57,1269.5
E2_5: *.56 M2.20 | length 1821.1
  Top Copper Layer w15: M2.20@2419.4,1087.5 2419.4,1159.33 ; M2.20@2419.4,1087.5 2419.4,1159.33 ; M2.20@2419.4,1087.5 2419.4,1159.33 ; M2.20@2419.4,1087.5 2419.4,1159.33 ; 2419.4,1159.33 *.56@2529.57,1269.5 ; 2419.4,1159.33 *.56@2529.57,1269.5 ; 2419.4,1159.33 *.56@2529.57,1269.5 ; 2419.4,1159.33 *.56@2529.57,1269.5
  Internal Copper Layer 1 w15: M2.20@2419.4,1087.5 2419.4,1159.33 *.56@2529.57,1269.5
  Internal Copper Layer 2 w15: 2419.4,1159.33 M2.20@2419.4,1087.5 2419.4,1159.33 ; 2419.4,1159.33 2529.57,1269.5 2419.4,1159.33
  Bottom Copper Layer w15: M2.20@2419.4,1087.5 2419.4,1159.33 *.56@2529.57,1269.5
E2_6: *.58 M2.21 | length 1640
  Top Copper Layer w15: M2.21@2380.03,1087.5 2380.03,1213.96 ; M2.21@2380.03,1087.5 2380.03,1213.96 ; M2.21@2380.03,1087.5 2380.03,1213.96 ; M2.21@2380.03,1087.5 2380.03,1213.96 ; 2380.03,1213.96 *.58@2435.57,1269.5 ; 2380.03,1213.96 *.58@2435.57,1269.5 ; 2380.03,1213.96 *.58@2435.57,1269.5 ; 2380.03,1213.96 *.58@2435.57,1269.5
  Internal Copper Layer 1 w15: M2.21@2380.03,1087.5 2380.03,1213.96 *.58@2435.57,1269.5
  Internal Copper Layer 2 w15: 2380.03,1213.96 M2.21@2380.03,1087.5 2380.03,1213.96 ; 2380.03,1213.96 2435.57,1269.5 2380.03,1213.96
  Bottom Copper Layer w15: M2.21@2380.03,1087.5 2380.03,1213.96 *.58@2435.57,1269.5
E2_7: *.57 M2.22 | length 1456
  Top Copper Layer w15: M2.22@2340.66,1087.5 *.57@2340.66,1269.5 ; M2.22@2340.66,1087.5 *.57@2340.66,1269.5 ; M2.22@2340.66,1087.5 *.57@2340.66,1269.5 ; M2.22@2340.66,1087.5 *.57@2340.66,1269.5
  Internal Copper Layer 1 w15: M2.22@2340.66,1087.5 *.57@2340.66,1269.5
  Internal Copper Layer 2 w15: M2.22@2340.66,1087.5 2340.66,1269.5 M2.22@2340.66,1087.5
  Bottom Copper Layer w15: M2.22@2340.66,1087.5 *.57@2340.66,1269.5
E2_8: *.47 M2.23 | length 1640
  Top Copper Layer w15: *.47@2246.66,1269.5 2302.2,1213.96 ; *.47@2246.66,1269.5 2302.2,1213.96 ; *.47@2246.66,1269.5 2302.2,1213.96 ; *.47@2246.66,1269.5 2302.2,1213.96 ; M2.23@2302.2,1087.5 2302.2,1213.96 ; M2.23@2302.2,1087.5 2302.2,1213.96 ; M2.23@2302.2,1087.5 2302.2,1213.96 ; M2.23@2302.2,1087.5 2302.2,1213.96
  Internal Copper Layer 1 w15: *.47@2246.66,1269.5 2302.2,1213.96 M2.23@2302.2,1087.5
  Internal Copper Layer 2 w15: 2302.2,1213.96 M2.23@2302.2,1087.5 2302.2,1213.96 ; 2302.2,1213.96 2246.66,1269.5 2302.2,1213.96
  Bottom Copper Layer w15: *.47@2246.66,1269.5 2302.2,1213.96 M2.23@2302.2,1087.5
E2_9: *.48 M2.24 | length 1821.1
  Top Copper Layer w15: *.48@2152.66,1269.5 2262.83,1159.33 ; *.48@2152.66,1269.5 2262.83,1159.33 ; *.48@2152.66,1269.5 2262.83,1159.33 ; *.48@2152.66,1269.5 2262.83,1159.33 ; M2.24@2262.83,1087.5 2262.83,1159.33 ; M2.24@2262.83,1087.5 2262.83,1159.33 ; M2.24@2262.83,1087.5 2262.83,1159.33 ; M2.24@2262.83,1087.5 2262.83,1159.33
  Internal Copper Layer 1 w15: *.48@2152.66,1269.5 2262.83,1159.33 M2.24@2262.83,1087.5
  Internal Copper Layer 2 w15: 2262.83,1159.33 2152.66,1269.5 2262.83,1159.33 ; 2262.83,1159.33 M2.24@2262.83,1087.5 2262.83,1159.33
  Bottom Copper Layer w15: *.48@2152.66,1269.5 2262.83,1159.33 M2.24@2262.83,1087.5
E2_10: *.46 M2.25 | length 2002.1
  Top Copper Layer w15: *.46@2058.66,1269.5 2107.66,1220.5 ; *.46@2058.66,1269.5 2107.66,1220.5 ; *.46@2058.66,1269.5 2107.66,1220.5 ; *.46@2058.66,1269.5 2107.66,1220.5 ; 2107.66,1220.5 2220.88,1107.28 ; 2107.66,1220.5 2220.88,1107.28 ; 2107.66,1220.5 2220.88,1107.28 ; 2107.66,1220.5 2220.88,1107.28 ; M2.25@2220.88,1090.08 M2.25@2223.46,1087.5 ; M2.25@2220.88,1090.08 M2.25@2223.46,1087.5 ; M2.25@2220.88,1090.08 M2.25@2223.46,1087.5 ; M2.25@2220.88,1090.08 M2.25@2223.46,1087.5 ; M2.25@2220.88,1090.08 2220.88,1107.28 ; M2.25@2220.88,1090.08 2220.88,1107.28 ; M2.25@2220.88,1090.08 2220.88,1107.28 ; M2.25@2220.88,1090.08 2220.88,1107.28
  Internal Copper Layer 1 w15: *.46@2058.66,1269.5 2107.66,1220.5 2220.88,1107.28 2220.88,1090.08 M2.25@2223.46,1087.5
  Internal Copper Layer 2 w15: 2107.66,1220.5 2220.88,1107.28 ; 2107.66,1220.5 2220.88,1107.28 ; 2107.66,1220.5 2058.66,1269.5 2107.66,1220.5 ; M2.25@2220.88,1090.08 M2.25@2223.46,1087.5 M2.25@2220.88,1090.08 ; M2.25@2220.88,1090.08 2220.88,1107.28 ; M2.25@2220.88,1090.08 2220.88,1107.28
  Bottom Copper Layer w15: *.46@2058.66,1269.5 2107.66,1220.5 2220.88,1107.28 2220.88,1090.08 M2.25@2223.46,1087.5
E2_11: *.45 M2.26 | length 2408.1
  Top Copper Layer w15: *.45@1964.66,1269.5 2039.66,1194.5 ; *.45@1964.66,1269.5 2039.66,1194.5 ; *.45@1964.66,1269.5 2039.66,1194.5 ; *.45@1964.66,1269.5 2039.66,1194.5 ; 2039.66,1194.5 2087.66,1194.5 ; 2039.66,1194.5 2087.66,1194.5 ; 2039.66,1194.5 2087.66,1194.5 ; 2039.66,1194.5 2087.66,1194.5 ; 2087.66,1194.5 M2.26@2181.51,1100.65 ; 2087.66,1194.5 M2.26@2181.51,1100.65 ; 2087.66,1194.5 M2.26@2181.51,1100.65 ; 2087.66,1194.5 M2.26@2181.51,1100.65 ; M2.26@2181.51,1090.08 M2.26@2184.09,1087.5 ; M2.26@2181.51,1090.08 M2.26@2184.09,1087.5 ; M2.26@2181.51,1090.08 M2.26@2184.09,1087.5 ; M2.26@2181.51,1090.08 M2.26@2184.09,1087.5 ; M2.26@2181.51,1090.08 M2.26@2181.51,1100.65 ; M2.26@2181.51,1090.08 M2.26@2181.51,1100.65 ; M2.26@2181.51,1090.08 M2.26@2181.51,1100.65 ; M2.26@2181.51,1090.08 M2.26@2181.51,1100.65
  Internal Copper Layer 1 w15: *.45@1964.66,1269.5 2039.66,1194.5 2087.66,1194.5 2181.51,1100.65 2181.51,1090.08 M2.26@2184.09,1087.5
  Internal Copper Layer 2 w15: 2039.66,1194.5 2087.66,1194.5 ; 2039.66,1194.5 2087.66,1194.5 ; 2039.66,1194.5 1964.66,1269.5 2039.66,1194.5 ; 2087.66,1194.5 M2.26@2181.51,1100.65 ; 2087.66,1194.5 M2.26@2181.51,1100.65 ; M2.26@2181.51,1090.08 M2.26@2184.09,1087.5 M2.26@2181.51,1090.08 ; M2.26@2181.51,1090.08 M2.26@2181.51,1100.65 ; M2.26@2181.51,1090.08 M2.26@2181.51,1100.65
  Bottom Copper Layer w15: *.45@1964.66,1269.5 2039.66,1194.5 2087.66,1194.5 2181.51,1100.65 2181.51,1090.08 M2.26@2184.09,1087.5
E2_12: *.38 M2.27 | length 2842.1
  Top Copper Layer w15: *.38@1870.66,1269.5 1969.66,1170.5 ; *.38@1870.66,1269.5 1969.66,1170.5 ; *.38@1870.66,1269.5 1969.66,1170.5 ; *.38@1870.66,1269.5 1969.66,1170.5 ; 1969.66,1170.5 2071.66,1170.5 ; 1969.66,1170.5 2071.66,1170.5 ; 1969.66,1170.5 2071.66,1170.5 ; 1969.66,1170.5 2071.66,1170.5 ; 2071.66,1170.5 M2.27@2142.14,1100.02 ; 2071.66,1170.5 M2.27@2142.14,1100.02 ; 2071.66,1170.5 M2.27@2142.14,1100.02 ; 2071.66,1170.5 M2.27@2142.14,1100.02 ; M2.27@2142.14,1090.08 M2.27@2144.72,1087.5 ; M2.27@2142.14,1090.08 M2.27@2144.72,1087.5 ; M2.27@2142.14,1090.08 M2.27@2142.14,1100.02 ; M2.27@2142.14,1090.08 M2.27@2142.14,1100.02 ; M2.27@2142.14,1090.08 M2.27@2142.14,1100.02 ; M2.27@2142.14,1090.08 M2.27@2142.14,1100.02 ; M2.27@2142.14,1090.08 M2.27@2144.72,1087.5 ; M2.27@2142.14,1090.08 M2.27@2144.72,1087.5
  Internal Copper Layer 1 w15: *.38@1870.66,1269.5 1969.66,1170.5 2071.66,1170.5 2142.14,1100.02 2142.14,1090.08 M2.27@2144.72,1087.5
  Internal Copper Layer 2 w15: 1969.66,1170.5 2071.66,1170.5 ; 1969.66,1170.5 2071.66,1170.5 ; 1969.66,1170.5 1870.66,1269.5 1969.66,1170.5 ; 2071.66,1170.5 M2.27@2142.14,1100.02 ; 2071.66,1170.5 M2.27@2142.14,1100.02 ; M2.27@2142.14,1090.08 M2.27@2142.14,1100.02 ; M2.27@2142.14,1090.08 M2.27@2142.14,1100.02 ; M2.27@2142.14,1090.08 M2.27@2144.72,1087.5 M2.27@2142.14,1090.08
  Bottom Copper Layer w15: *.38@1870.66,1269.5 1969.66,1170.5 2071.66,1170.5 2142.14,1100.02 2142.14,1090.08 M2.27@2144.72,1087.5
E2_13: *.37 M2.28 | length 3249.6
  Top Copper Layer w15: *.37@1776.66,1269.5 1899.66,1146.5 ; *.37@1776.66,1269.5 1899.66,1146.5 ; *.37@1776.66,1269.5 1899.66,1146.5 ; *.37@1776.66,1269.5 1899.66,1146.5 ; 1899.66,1146.5 2049.99,1146.5 ; 1899.66,1146.5 2049.99,1146.5 ; 1899.66,1146.5 2049.99,1146.5 ; 1899.66,1146.5 2049.99,1146.5 ; 2049.99,1146.5 M2.28@2105.35,1091.14 ; 2049.99,1146.5 M2.28@2105.35,1091.14 ; 2049.99,1146.5 M2.28@2105.35,1091.14 ; 2049.99,1146.5 M2.28@2105.35,1091.14 ; M2.28@2105.35,1087.5 M2.28@2105.35,1091.14 ; M2.28@2105.35,1087.5 M2.28@2105.35,1091.14 ; M2.28@2105.35,1087.5 M2.28@2105.35,1091.14 ; M2.28@2105.35,1087.5 M2.28@2105.35,1091.14
  Internal Copper Layer 1 w15: *.37@1776.66,1269.5 1899.66,1146.5 2049.99,1146.5 2105.35,1091.14 M2.28@2105.35,1087.5
  Internal Copper Layer 2 w15: 1899.66,1146.5 2049.99,1146.5 ; 1899.66,1146.5 2049.99,1146.5 ; 1899.66,1146.5 1776.66,1269.5 1899.66,1146.5 ; 2049.99,1146.5 M2.28@2105.35,1091.14 ; 2049.99,1146.5 M2.28@2105.35,1091.14 ; M2.28@2105.35,1091.14 M2.28@2105.35,1087.5 M2.28@2105.35,1091.14
  Bottom Copper Layer w15: *.37@1776.66,1269.5 1899.66,1146.5 2049.99,1146.5 2105.35,1091.14 M2.28@2105.35,1087.5
E2_14: *.28 M2.29 | length 3685.2
  Top Copper Layer w15: *.28@1682.66,1269.5 1829.66,1122.5 ; *.28@1682.66,1269.5 1829.66,1122.5 ; *.28@1682.66,1269.5 1829.66,1122.5 ; *.28@1682.66,1269.5 1829.66,1122.5 ; 1829.66,1122.5 2034.62,1122.5 ; 1829.66,1122.5 2034.62,1122.5 ; 1829.66,1122.5 2034.62,1122.5 ; 1829.66,1122.5 2034.62,1122.5 ; 2034.62,1122.5 M2.29@2056.89,1100.23 ; 2034.62,1122.5 M2.29@2056.89,1100.23 ; 2034.62,1122.5 M2.29@2056.89,1100.23 ; 2034.62,1122.5 M2.29@2056.89,1100.23 ; M2.29@2056.89,1099.78 M2.29@2065.52,1091.14 ; M2.29@2056.89,1099.78 M2.29@2065.52,1091.14 ; M2.29@2056.89,1099.78 M2.29@2065.52,1091.14 ; M2.29@2056.89,1099.78 M2.29@2065.52,1091.14 ; M2.29@2056.89,1099.78 M2.29@2056.89,1100.23 ; M2.29@2056.89,1099.78 M2.29@2056.89,1100.23 ; M2.29@2056.89,1099.78 M2.29@2056.89,1100.23 ; M2.29@2056.89,1099.78 M2.29@2056.89,1100.23 ; M2.29@2065.52,1087.5 M2.29@2065.52,1091.14 ; M2.29@2065.52,1087.5 M2.29@2065.52,1091.14 ; M2.29@2065.52,1087.5 M2.29@2065.52,1091.14 ; M2.29@2065.52,1087.5 M2.29@2065.52,1091.14
  Internal Copper Layer 1 w15: *.28@1682.66,1269.5 1829.66,1122.5 2034.62,1122.5 2056.89,1100.23 2056.89,1099.78 2065.52,1091.14 M2.29@2065.52,1087.5
  Internal Copper Layer 2 w15: 1829.66,1122.5 2034.62,1122.5 ; 1829.66,1122.5 2034.62,1122.5 ; 1829.66,1122.5 1682.66,1269.5 1829.66,1122.5 ; 2034.62,1122.5 M2.29@2056.89,1100.23 ; 2034.62,1122.5 M2.29@2056.89,1100.23 ; M2.29@2056.89,1099.78 M2.29@2065.52,1091.14 ; M2.29@2056.89,1099.78 M2.29@2065.52,1091.14 ; M2.29@2056.89,1099.78 M2.29@2056.89,1100.23 ; M2.29@2056.89,1099.78 M2.29@2056.89,1100.23 ; M2.29@2065.52,1091.14 M2.29@2065.52,1087.5 M2.29@2065.52,1091.14
  Bottom Copper Layer w15: *.28@1682.66,1269.5 1829.66,1122.5 2034.62,1122.5 2056.89,1100.23 2056.89,1099.78 2065.52,1091.14 M2.29@2065.52,1087.5
E2_15: M2.30
E3_0: *.36 M3.15 | length 3685.2
  Top Copper Layer w15: M3.15@1406.66,1651.46 M3.15@1410.31,1651.46 ; M3.15@1406.66,1651.46 M3.15@1410.31,1651.46 ; M3.15@1406.66,1651.46 M3.15@1410.31,1651.46 ; M3.15@1406.66,1651.46 M3.15@1410.31,1651.46 ; M3.15@1410.31,1651.46 M3.15@1418.94,1642.82 ; M3.15@1410.31,1651.46 M3.15@1418.94,1642.82 ; M3.15@1410.31,1651.46 M3.15@1418.94,1642.82 ; M3.15@1410.31,1651.46 M3.15@1418.94,1642.82 ; M3.15@1418.94,1642.82 M3.15@1419.39,1642.82 ; M3.15@1418.94,1642.82 M3.15@1419.39,1642.82 ; M3.15@1418.94,1642.82 M3.15@1419.39,1642.82 ; M3.15@1418.94,1642.82 M3.15@1419.39,1642.82 ; M3.15@1419.39,1642.82 1441.66,1620.55 ; M3.15@1419.39,1642.82 1441.66,1620.55 ; M3.15@1419.39,1642.82 1441.66,1620.55 ; M3.15@1419.39,1642.82 1441.66,1620.55 ; 1441.66,1415.59 1441.66,1620.55 ; 1441.66,1415.59 1441.66,1620.55 ; 1441.66,1415.59 1441.66,1620.55 ; 1441.66,1415.59 1441.66,1620.55 ; 1441.66,1415.59 *.36@1588.66,1268.59 ; 1441.66,1415.59 *.36@1588.66,1268.59 ; 1441.66,1415.59 *.36@1588.66,1268.59 ; 1441.66,1415.59 *.36@1588.66,1268.59
  Internal Copper Layer 1 w15: M3.15@1406.66,1651.46 1410.31,1651.46 1418.94,1642.82 1419.39,1642.82 1441.66,1620.55 1441.66,1415.59 *.36@1588.66,1268.59
  Internal Copper Layer 2 w15: M3.15@1410.31,1651.46 M3.15@1418.94,1642.82 ; M3.15@1410.31,1651.46 M3.15@1418.94,1642.82 ; M3.15@1410.31,1651.46 1406.66,1651.46 M3.15@1410.31,1651.46 ; M3.15@1418.94,1642.82 M3.15@1419.39,1642.82 ; M3.15@1418.94,1642.82 M3.15@1419.39,1642.82 ; M3.15@1419.39,1642.82 1441.66,1620.55 ; M3.15@1419.39,1642.82 1441.66,1620.55 ; 1441.66,1415.59 1441.66,1620.55 ; 1441.66,1415.59 1441.66,1620.55 ; 1441.66,1415.59 1588.66,1268.59 1441.66,1415.59
  Bottom Copper Layer w15: M3.15@1406.66,1651.46 1410.31,1651.46 1418.94,1642.82 1419.39,1642.82 1441.66,1620.55 1441.66,1415.59 *.36@1588.66,1268.59